# Altium PCB PCB3.PcbDoc
Units mil, origin at the board's own origin, x right, y up, seen from the top; angles counter-clockwise.
Board outline 4375 x 4780 mil, 2 copper layers (Top Layer, Bottom Layer); 18 components, 53 nets, 190 pads, 48 vias.
Unrouted connection lines stored in the file: 39.
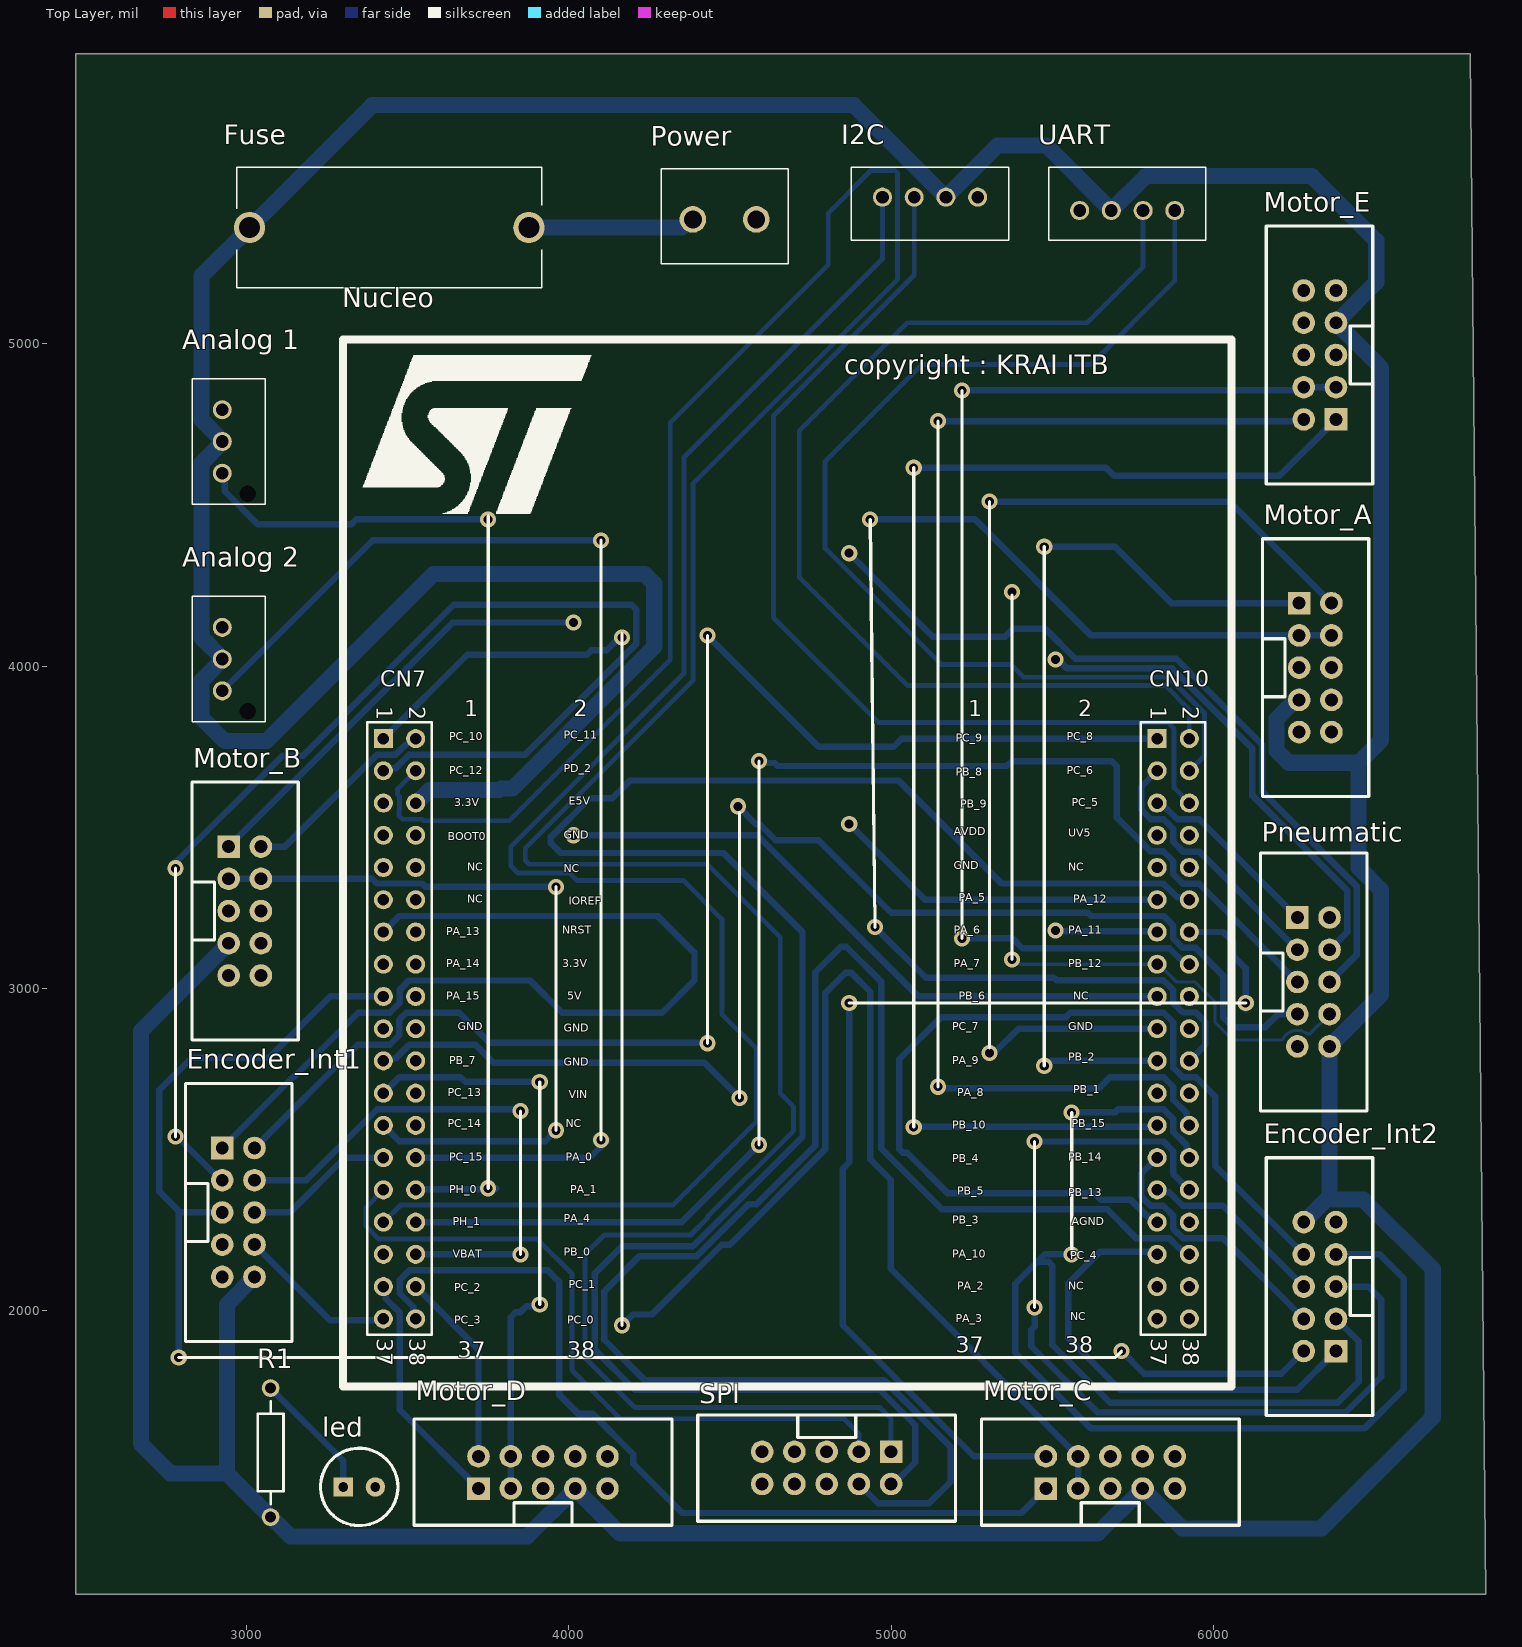
[diagram p0: Top Layer view]
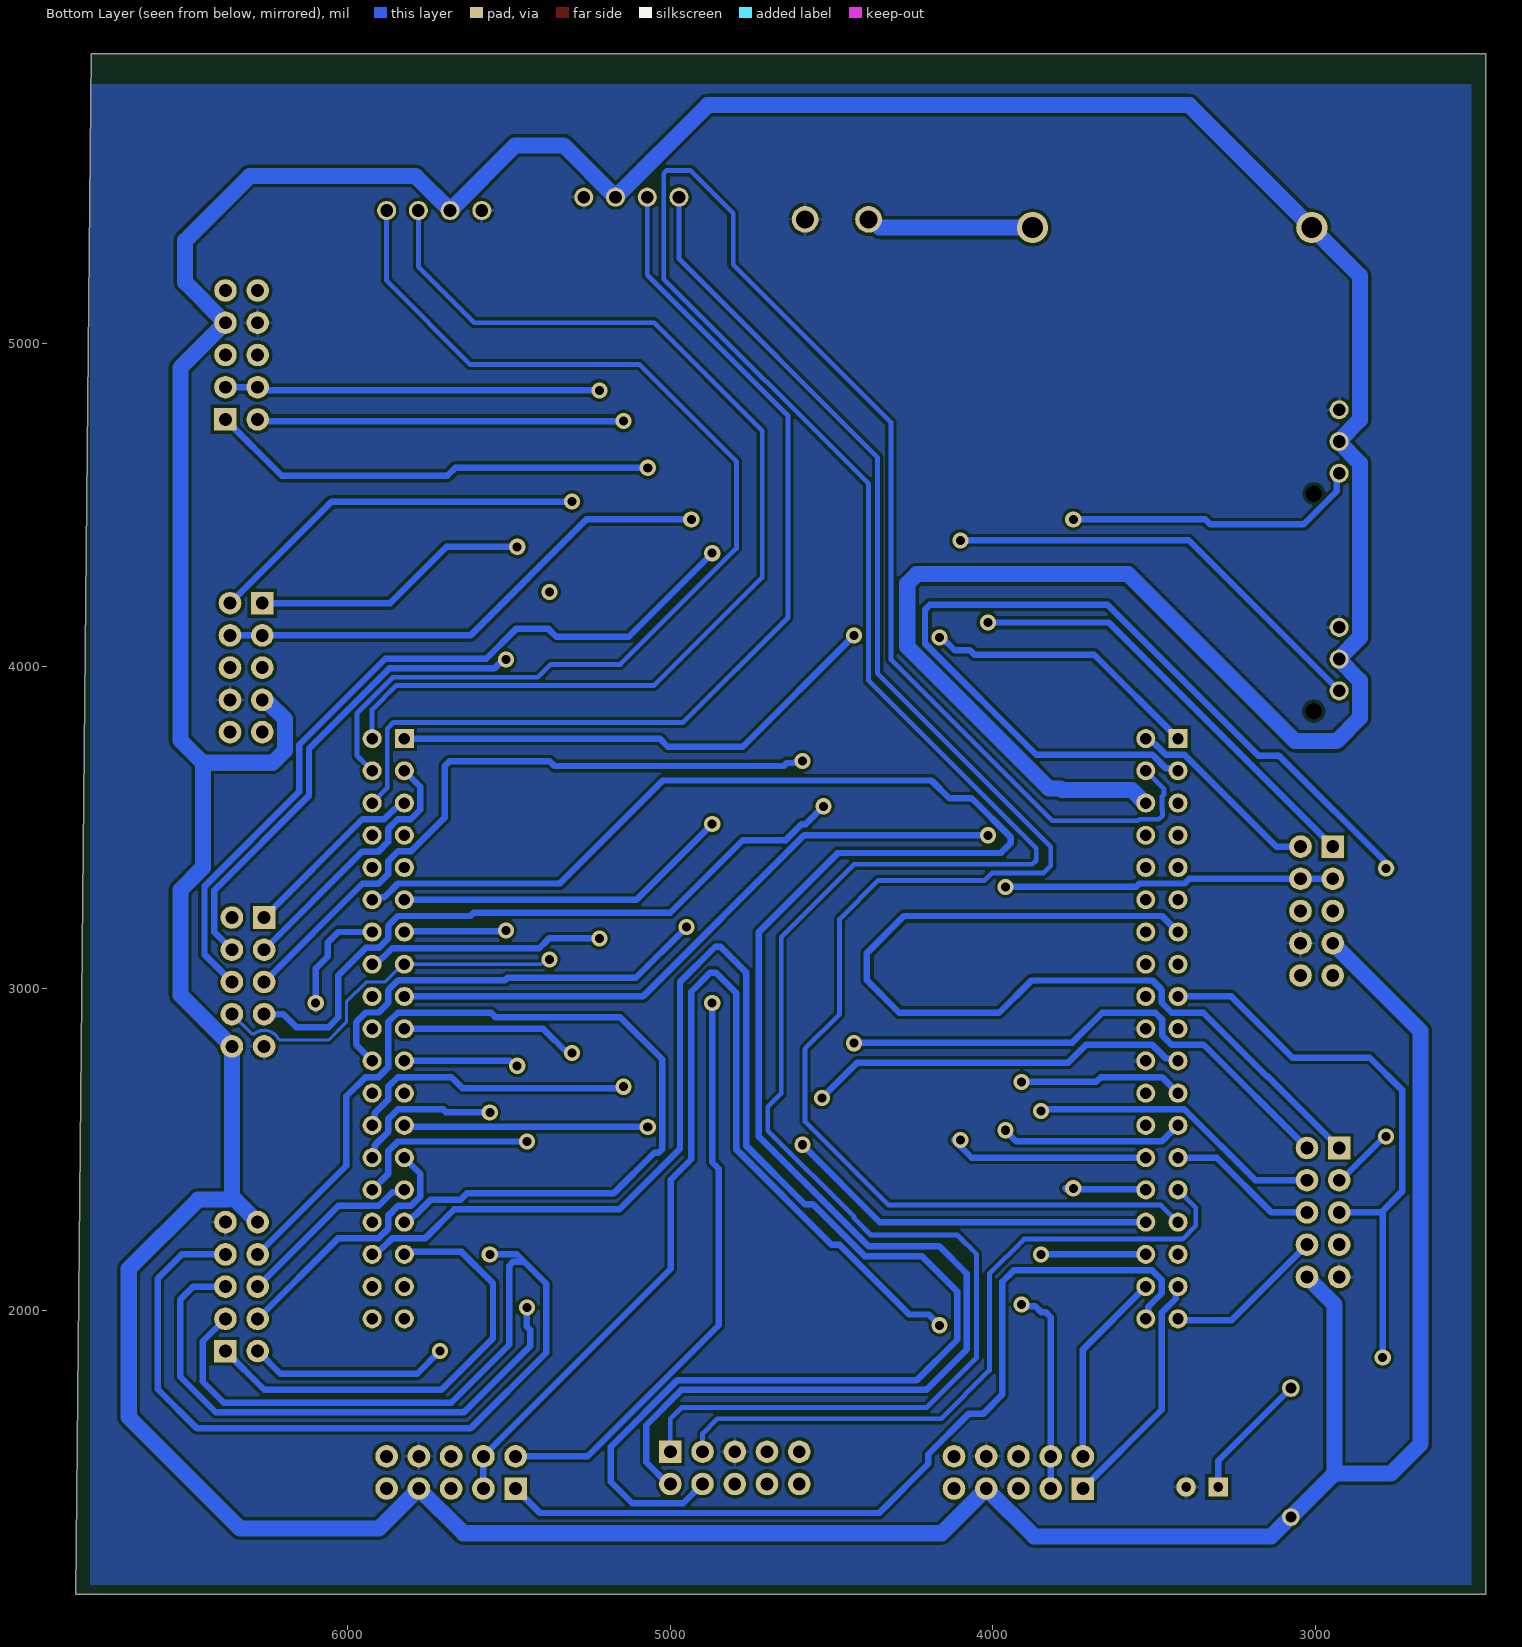
[diagram p1: Bottom Layer view, seen from below]

## Layer stack, top to bottom
Top Solder: solder mask 0.4, Solder Resist, Dk 3.5
Top Layer: signal copper 1.4
Dielectric 1: dielectric 12.6, FR-4, Dk 4.8
Bottom Layer: signal copper 1.4
Bottom Solder: solder mask 0.4, Solder Resist, Dk 3.5

## Board outline
2470,1120 6845,1120 6796.17,5900 2470,5900

## Design rules (kind name [scope] priority, off if disabled: settings)
Clearance [All] p1: gap=10 ignorepadtopadclearanceinfootprint=FALSE except(0: Arc-Hole Track-Hole SMDPad-Hole THPad-Hole Via-Hole Fill-Hole Poly-Hole Region-Hole Text-Hole)
PolygonConnect [All] p1: connectstyle=Relief reliefconductorwidth=10 reliefentries=4 polygonreliefangle="90 Angle" airgapwidth=10
RoomDefinition "Schematic Tugas 1_Magang 2" [InComponentClass('Schematic Tugas 1_Magang 2')] p1: confinementstyle=ConfineIn formatcopy=TRUE lockcomponents=FALSE outline 2515,1150 6780,1150 6780,5805 2515,5805
RoutingVias [All] p1: holewidth=28 width=50 viastyle="Through Hole" minholewidth=28 minwidth=50 maxholewidth=28 maxwidth=50
SolderMaskExpansion [All] p1: expansion=4 istentingtop=FALSE
Width [All] p1: maxlimit=50 minlimit=10 preferedwidth=20 toplayer_maxwidth=10 toplayer_prefwidth=10 minimp=50.000000 maximp=50.000000 favimp=50.000000
30 further rules are at their usual default settings.

## Classes and differential pairs
component class "Schematic Tugas 1_Magang 2": "Analog 1" "Analog 2" Encoder_Int1 Encoder_Int2 Fuse I2C led Motor_A Motor_B Motor_C Motor_D Motor_E Pneumatic Power R1 SPI UART

## Components (designator, comment, footprint, x,y, rotation, side; value= is the part's Value field where it differs from the comment)
"Analog 1" "B3B-XH-AM_LF__SN_" B3BXHAMLFSN 2925.23,4795 r270 top
"Analog 2" "B3B-XH-AM_LF__SN_" B3BXHAMLFSN 2925.23,4120 r270 top
Encoder_Int1 "Header ISP" "Header ISP" 2825,2405 r270 top
Encoder_Int2 "Header ISP" "Header ISP" 6480,1975 r90 top
Fuse "C3131" C3131 3010,5360 r0 top
I2C "B4B-XH-A_LF__SN_" B4BXHALFSN 5268.43,5454.49 r180 top
led "LED 5mm" "LED 5mm" 3350,1453.51 r0 top
Motor_A "Header ISP" "Header ISP" 6165.81,4095 r270 top
Motor_B "Header ISP" "Header ISP" 2845,3340 r270 top
Motor_C "Header ISP" "Header ISP" 5580,1348.51 r0 top
Motor_D "Header ISP" "Header ISP" 3820,1348.51 r0 top
Motor_E "Header ISP" "Header ISP" 6480,4865 r90 top
Nucleo "Shield Nucleo F446RE/F401RE no Pinout" "Shield Nucleo-F446RE/F401RE-tanpaPinOut" 4700,3225 r0 top
Pneumatic "Header ISP" "Header ISP" 6160,3120 r270 top
Power "KF301-2P" KF3012P 4385,5385.59 r0 top
R1 "Resistor 0.25W" "Resistor 0.25W" 3075,1560 r90 top
SPI "Header ISP" "Header ISP" 4900,1662.7 r180 top
UART "B4B-XH-A_LF__SN_" B4BXHALFSN 5584.72,5413.15 r0 top

## Footprints (in the part's own frame and the unit in brackets; to place one, negate y for a bottom-side part, rotate by r counter-clockwise, add the part's x,y. Pads: shape width x height; smd on the part's side, far side on the other; paste and mask are expansions set on the pad)
B3BXHAMLFSN [mm]
  round 1.5 hole 1: 1(0,0) 2(2.5,0) 3(5,0)
  round 0.65 hole 1.3 unplated: 4(6.6,2)
  silkscreen extent -2.45,-2.35 7.45,3.4, body extent -2.45,-2.35 7.45,3.4, height 7.1
B4BXHALFSN [mm]
  round 1.5 hole 1: 1(0,0) 2(2.5,0) 3(5,0) 4(7.5,0)
  silkscreen extent -2.45,-2.35 9.95,3.4, body extent -2.45,-2.35 9.95,3.4, height 7.52
C3131 [mm]
  round 2.46 hole 1.64: 1(0,0) 2(22,0)
  silkscreen extent -1,-4.75 23,4.75, body extent -1,-4.75 23,4.75, height 10.6
"Header ISP" [mil]
  rect 70x70 hole 40: 1(-100,100)
  round 70 hole 40: 2(-100,200) 3(0,100) 4(0,200) 5(100,100) 6(100,200) 7(200,100) 8(200,200) 9(300,100) 10(300,200)
  silkscreen extent -300,-14 500,316, body extent -300,-20 501,334, height 365
KF3012P [mm]
  round 2.1 hole 1.4: 1(0,0) 2(5,0)
  silkscreen extent -2.5,-3.5 7.5,4, body extent -2.99,-3.35 7.51,4.15, height 10
"LED 5mm" [mil]
  rect 60x60 hole 30: 1(-50,0)
  round 60 hole 30: 2(50,0)
  silkscreen extent -120,-120 120,120, body extent -117,-118 96,118, height 268
"Resistor 0.25W" [mm]
  round 1.4 hole 0.85: 1(-5.08,0) 2(5.08,0)
  silkscreen extent -4.06,-1.02 4.06,1.02, body extent -5.35,-1.27 5.35,1.33, height 2.7
"Shield Nucleo-F446RE/F401RE-tanpaPinOut" [mm] "Tanpa pin out"
  round 1.5 hole 0.9: 3.3V(-32.385,8.89) 3V3(-29.845,-3.81) 5V(-29.845,-6.35) AGND(31.115,-24.13) AVDD(28.575,6.35) BOOT0(-32.385,6.35) E5V(-29.845,8.89) GND(-29.845,6.35) GND1(-32.385,-8.89) GND2(-29.845,-8.89) GND3(-29.845,-11.43) GND4(28.575,3.81) GND5(31.115,-8.89) IOREF(-29.845,1.27) NC1(-32.385,3.81) NC2(-32.385,1.27) NC3(-29.845,3.81) NC4(-29.845,-16.51) NC5(31.115,3.81) NC6(31.115,-6.35) NC7(31.115,-29.21) NC8(31.115,-31.75) NRST(-29.845,-1.27) PA_0(-29.845,-19.05) PA_1(-29.845,-21.59) PA_2(28.575,-29.21) PA_3(28.575,-31.75) PA_4(-29.845,-24.13) PA_5(28.575,1.27) PA_6(28.575,-1.27) PA_7(28.575,-3.81) PA_8(28.575,-13.97) PA_9(28.575,-11.43) PA_10(28.575,-26.67) PA_11(31.115,-1.27) PA_12(31.115,1.27) PA_13(-32.385,-1.27) PA_14(-32.385,-3.81) PA_15(-32.385,-6.35) PB_0(-29.845,-26.67) PB_1(31.115,-13.97) PB_2(31.115,-11.43) PB_3(28.575,-24.13) PB_4(28.575,-19.05) PB_5(28.575,-21.59) PB_6(28.575,-6.35) PB_7(-32.385,-11.43) PB_8(28.575,11.43) PB_9(28.575,8.89) PB_10(28.575,-16.51) PB_12(31.115,-3.81) PB_13(31.115,-21.59) PB_14(31.115,-19.05) PB_15(31.115,-16.51) PC_0(-29.845,-31.75) PC_1(-29.845,-29.21) PC_2(-32.385,-29.21) PC_3(-32.385,-31.75) PC_4(31.115,-26.67) PC_5(31.115,8.89) PC_6(31.115,11.43) PC_7(28.575,-8.89) PC_8(31.115,13.97) PC_11(-29.845,13.97) PC_12(-32.385,11.43) PC_13(-32.385,-13.97) PC_14(-32.385,-16.51) PC_15(-32.385,-19.05) PD_2(-29.845,11.43) PH_0(-32.385,-21.59) PH_1(-32.385,-24.13) UV5(31.115,6.35) VBAT(-32.385,-26.67) VIN(-29.845,-13.97)
  rect 1.5x1.5 hole 0.9: PC_9(28.575,13.97) PC_10(-32.385,13.97)
  Bottom Layer lines w0.254: 28.321,-13.716 28.575,-13.97
  silkscreen extent -35.59,-37.08 34.44,45.42, body extent -35.58,-36.78 34.42,47.19, height 21.99

## Part data
"Analog 1" "Analog 2": "Connector", Arrow Part Number=B3B-XH-AM(LF)(SN), Manufacturer_Name="JST (JAPAN SOLDERLESS TERMINALS)", Arrow Price/Stock=https://www.arrow.com/en/products/b3b-xh-a-m-lf-sn/jst-manufacturing?region=europe, Datasheet Link=http://www.jst-mfg.com/product/pdf/eng/eXH.pdf, Height=7mm, Manufacturer_Part_Number=B3B-XH-AM(LF)(SN)
Fuse: "Undefined or Miscellaneous", Manufacturer_Name="Xucheng Elec", Datasheet Link=https://datasheet.lcsc.com/szlcsc/XC-Elec-Shenzhen-5x20-BLX-Fuse-holder_C3131.pdf, Height=10.5mm, Manufacturer_Part_Number=C3131
I2C UART: "Connector", Arrow Part Number=B4B-XH-A(LF)(SN), Manufacturer_Name="JST (JAPAN SOLDERLESS TERMINALS)", Arrow Price/Stock=https://www.arrow.com/en/products/b4b-xh-a-lf-sn/jst-manufacturing, Datasheet Link=https://datasheet.lcsc.com/szlcsc/JST-Sales-America-B4B-XH-A-LF-SN_C144395.pdf, Height=7mm, Manufacturer_Part_Number=B4B-XH-A(LF)(SN)
Nucleo: library part "Shield Nucleo-F446RE/F401RE-tanpa Pinout", "Tanpa Pinout"
Power: "Connector", Manufacturer_Name="Handson Technology", Datasheet Link=http://www.handsontec.com/dataspecs/terminal%20block-5mm.pdf, Height=10mm, Manufacturer_Part_Number=KF301-2P

## Via types
v1: diameter 50, hole 28, Top Layer to Bottom Layer, 48 vias

## Nets (pads, with @x,y where several pads share a name; then routed paths per layer and width w, separated by ;. In a path a pad name is that pad's centre, name@x,y a point inside that pad or via, vN(x,y) a via of type N, cw(c..) or ccw(c..) an arc to the next point about the centre after c; other vN are vias at no path point)
5V: "Analog 1.2" "Analog 2.2" Encoder_Int1.10 Encoder_Int2.10 Fuse.1 I2C.2 Motor_A.7 Motor_B.7 Motor_C.7 Motor_D.7 Motor_E.7 Nucleo.E5V Pneumatic.10 R1.1 UART.2 | length 19990.2
  Bottom Layer w50: Motor_B.7 2672.5,2867.5 2672.5,1587.5 2765,1495 2940,1495 ; Encoder_Int1.10 2940,2020 2940,1495 ; Nucleo.E5V 3527.45,3575 3567.45,3615 3785,3615 3790,3620 3825,3620 4265,4060 4265,4255.71 4235.71,4285 3580,4285 3061.92,3766.92 2933.08,3766.92 2860.7,3839.3 2860.7,3954.6 2925.23,4019.12 2925.23,4021.57 2925.23,4024.03 2860.7,4088.55 2860.7,4629.6 2925.23,4694.12 2925.23,4696.57 2925.23,4699.03 2860.7,4763.55 2860.7,5210.7 Fuse.1 3390,5740 4884.49,5740 I2C.2 5330.51,5615 5481.3,5615 UART.2 5790,5520 6305,5520 6505,5320 6505,5190 Motor_E.7 6520,4925 6520,3770 6450,3700 ; Motor_A.7 6260.4,3895 6250.4,3885 6245,3885 6195.81,3835.81 6195.81,3737.68 6233.49,3700 6450,3700 ; Encoder_Int2.10 6360,2355 ; 2940,1495 R1.1 3076.39,1360 3136.39,1300 3871.49,1300 Motor_D.7 4158.51,1310 5641.49,1310 Motor_C.7 5903.51,1325 6335,1325 6680,1670 6680,2130 6465,2345 6370,2345 6360,2355 ; 6360,2355 Pneumatic.10 6520,2980 6520,3305 6450,3375 6450,3700
Fuse: Fuse.2 Power.1 | length 519.5
  Bottom Layer w50: Fuse.2 4350.57,5360 4376.16,5385.59 Power.1
GND: "Analog 1.1" "Analog 2.1" Encoder_Int1.9 Encoder_Int2.9 I2C.1 led.2 Motor_A.8 Motor_B.8 Motor_C.8 Motor_D.8 Motor_E.8 Nucleo.GND2 Nucleo.GND3 Pneumatic.9 Power.2 SPI.5 UART.1
Netled_1: led.1 R1.2 | length 399.7
  Bottom Layer w20: R1.2 3300,1535 led.1
PA_0: "Analog 2.3" Nucleo.PA_0 | length 1985.9
  Bottom Layer w20: 2925.23,3923.15 3392.08,4390 v1(4100,4390) ; Nucleo.PA_0 4065,2475 v1@4120,2530
  other v1: 4100,2530
PA_1: "Analog 1.3" Nucleo.PA_1 | length 1177.1
  Bottom Layer w20: 2925.23,4598.15 2932.7,4590.68 2932.7,4541.95 3034.65,4440 3325.77,4440 3340.77,4455 v1(3750,4455) ; Nucleo.PA_1 3527.5,2377.5 3772.5,2377.5 3775,2380
  other v1: 3750,2380
PA_4: Nucleo.PA_4 Pneumatic.5 | length 3227.8
  Bottom Layer w20: Nucleo.PA_4 4350,2275 v1(4590,2515) ; v1@4610,3705 4615.74,3699.26 4638.86,3699.26 4648.12,3690 5359.06,3690 5374.06,3705 5685,3705 5700,3690 5700,3529.96 5804.48,3425.47 5844.57,3425.47 5875.47,3394.57 5875.47,3354.49 5905.43,3324.53 5955.47,3324.53 Pneumatic.5
  other v1: 4590,3705
PA_5: Nucleo.PA_5 Pneumatic.6 | length 3492.3
  Bottom Layer w20: v1(4870,3510) 5105,3275 Nucleo.PA_5 ; v1(4870,4350) 5129.26,4090.74 5353.52,4090.74 5377.78,4115 5478.64,4115 5571.14,4022.5 5884.17,4022.5 6150.81,3755.86 6150.81,3610.55 6445,3316.36 6445,3105 Pneumatic.6
PA_6: Nucleo.PA_6 Pneumatic.4 | length 1795.5
  Bottom Layer w20: v1(5510,4020) 5518.12,4020 5545.62,3992.5 5871.75,3992.5 6120.81,3743.44 6120.81,3598.13 6415,3303.93 6415,3175 Pneumatic.4 ; v1@5525,3180 5527.5,3177.5 5822.5,3177.5 Nucleo.PA_6
  other v1: 5510,3180
PA_7: Nucleo.PA_7 Pneumatic.8 | length 1164.6
  Bottom Layer w10: v1(5375,3090) 5385.82,3090 5400.82,3075 5830.4,3075 5885.87,3019.53 5943.44,3019.53 6004.72,2958.25 6004.72,2895.28 6060,2840 6212.18,2840 6215.11,2842.93 6216.08,2843.9 cw(c6260,2820) 6291.41,2858.9 6294.76,2858.9 6298.9,2858.9 Pneumatic.8
  other v1: 5375,4230
PA_8: Nucleo.PA_8
PA_9: Motor_A.1 Nucleo.PA_9 | length 1219.5
  Bottom Layer w20: v1(5475,2760) 5483.12,2760 5498.12,2775 Nucleo.PA_9 ; v1(5475,4370) 5694.46,4370 5869.46,4195 Motor_A.1
PA_10: Encoder_Int2.1 Nucleo.PA_10 | length 1434.4
  Bottom Layer w20: Nucleo.PA_10 5817.53,2182.47 5647.47,2182.47 5550,2085 5550,1915 5710,1755 6260,1755 Encoder_Int2.1
PA_11: Motor_C.2 Nucleo.PA_11 | length 2180.7
  Bottom Layer w20: v1(4870,2955) 4870,2460.94 4850,2440.94 4850,1955 5256.49,1548.51 Motor_C.2 ; Nucleo.PA_11 6030,3175 6062.13,3142.87 6062.13,3099.91 6100,3062.04 v1@6100,2935
  other v1: 6100,2955
PA_12: Nucleo.PA_12 SPI.2 | length 6122.3
  Bottom Layer w20: SPI.2 5007.33,1462.7 5075,1530.37 5075,1645.15 4965.15,1755 4205,1755 4080,1880 4080,2115 4165,2200 4385.15,2200 4725,2539.85 4725,3175 4480,3420 3975,3420 3943.28,3451.72 3943.28,3468.28 4065,3590 4135,3590 4190,3645 5023.07,3645 5342.6,3325.47 5844.57,3325.47 5887.57,3282.47 5917.53,3282.47 Nucleo.PA_12
PA_13: Encoder_Int1.1 Nucleo.PA_13 | length 2904.7
  Bottom Layer w20: Encoder_Int1.1 3147.26,2727.26 3149.65,2727.26 3346.91,2924.53 3444.57,2924.53 3475.47,2955.43 3475.47,2993.61 3476.27,2994.41 3476.27,2996.31 3504.49,3024.53 3879.53,3024.53 3979.53,2924.53 4289.53,2924.53 4390,3025 4390,3110 4275.47,3224.53 3474.53,3224.53 Nucleo.PA_13
PA_14: Nucleo.PA_14
PA_15: Encoder_Int1.5 Encoder_Int2.2 Nucleo.PA_15 | length 2440.6
  Bottom Layer w20: v1(2790,1855) 2790,2310 ; Encoder_Int1.5 2795,2305 2730,2370 2730,2685 2830,2785 3070,2785 3260,2975 Nucleo.PA_15 Nucleo.PA_15@3425,2985.57 ; v1(5715,1875) 5785,1805 6210,1805 Encoder_Int2.2
PB_0: Encoder_Int1.4 Nucleo.PB_0 | length 1243.6
  Bottom Layer w20: Encoder_Int1.4 3184.96,2405 3405.43,2625.47 3844.53,2625.47 v1(3850,2620) ; Nucleo.PB_0 v1(3850,2175)
PB_1: Nucleo.PB_1
PB_2: Motor_A.3 Motor_A.4 Nucleo.PB_2 | length 2890.9
  Bottom Layer w20: v1(4935,4455) 5260,4455 5620,4095 Motor_A.3 Motor_A.4 ; v1(4950,3190) 5107.19,3032.8 5505,3032.8 5512.34,3025.47 5844.57,3025.47 5875.12,2994.92 5875.12,2954.84 5904.78,2925.18 5944.87,2925.18 5974.53,2895.51 5974.53,2824.53 Nucleo.PB_2
PB_3: Encoder_Int2.8 Nucleo.PB_3 | length 3005.6
  Bottom Layer w20: Nucleo.PB_3 5814.43,2275 5793.96,2295.47 5792.06,2295.47 5742.53,2345 5650,2345 5630,2365 5175,2365 5050,2490 5036.72,2490 5025,2501.72 5025,2780 5155,2910 5541.17,2910 5555.7,2924.53 5845.52,2924.53 5875.47,2894.57 5875.47,2754.49 5904.96,2725 5945.04,2725 6005,2665.04 6005,2450 Encoder_Int2.8
PB_4: Encoder_Int2.4 Nucleo.PB_4 | length 826.2
  Bottom Layer w20: Nucleo.PB_4 5775.47,2425.47 5775.47,2354.49 5804.48,2325.47 5844.57,2325.47 5874.53,2295.51 5874.53,2255.43 5904.48,2225.47 6029.53,2225.47 Encoder_Int2.4
PB_5: Encoder_Int2.6 Nucleo.PB_5 | length 579.3
  Bottom Layer w20: Nucleo.PB_5 5832.47,2367.53 5862.43,2367.53 5904.48,2325.47 6029.53,2325.47 Encoder_Int2.6
PB_6: Motor_B.1 Nucleo.PB_6 | length 3370
  Bottom Layer w20: Motor_B.1 3640,4135 v1@4010,4135 ; v1(4015,3475) 4585,3475 5085,2975 Nucleo.PB_6
  other v1: 4015,4135
PB_7: Nucleo.PB_7 Pneumatic.7 | length 3328.6
  Bottom Layer w20: Nucleo.PB_7 3432.47,2782.47 3462.43,2782.47 3504.49,2824.53 3711.01,2824.53 3765.54,2770 4420,2770 v1(4530,2660) ; v1(4525,3565) 4580.37,3509.63 4592.8,3509.63 4642.43,3460 4775,3460 5000,3235 5610.23,3235 5620.7,3224.53 5845.52,3224.53 5875,3195.04 5875,3154.96 5904.48,3125.47 5944.57,3125.47 6029.72,3040.32 6029.72,2910.28 6060,2880 6160,2880 6200,2920 Pneumatic.7
PB_8: Nucleo.PB_8 Pneumatic.3 | length 829
  Bottom Layer w20: Nucleo.PB_8 5775.47,3625.47 5775.47,3554.49 5805.43,3524.53 5845.52,3524.53 5875.47,3494.57 5875.47,3454.49 5905.43,3424.53 5955.47,3424.53 Pneumatic.3
PB_9: Nucleo.PB_9 Pneumatic.1 | length 582
  Bottom Layer w20: Nucleo.PB_9 5835.57,3575 5856.04,3554.53 5857.94,3554.53 5887.94,3524.53 5955.47,3524.53 Pneumatic.1
PB_10: Motor_E.1 Nucleo.PB_10 | length 2149.9
  Bottom Layer w20: v1(5070,2570) 5070.25,2570.25 5820.25,2570.25 Nucleo.PB_10 ; v1(5070,4615) 5666.56,4615 5691.56,4590 6205,4590 Motor_E.1
PB_11: Encoder_Int1.7
PB_12: Motor_E.3 Motor_E.4 Nucleo.PB_12 | length 1902.3
  Bottom Layer w20: v1(5220,3155) 5376.36,3155 5406.36,3125 5862.53,3125 5892.06,3095.47 5893.96,3095.47 5914.43,3075 Nucleo.PB_12 ; v1(5220,4855) 6243.28,4855 6243.72,4855.43 6270.43,4855.43 Motor_E.4 Motor_E.3
PB_13: Encoder_Int2.5 Nucleo.PB_13 | length 2309.3
  Bottom Layer w20: v1(5445,2010) 5445,1950.94 5435,1940.94 5435,1890 5640,1685 6410,1685 6520,1795 6520,2035 6480,2075 Encoder_Int2.5 ; v1@5455,2525 5845.04,2525 5875.47,2494.57 5875.47,2424.53 Nucleo.PB_13
  other v1: 5445,2525
PB_14: Encoder_Int2.3 Encoder_Int2.7 Nucleo.PB_14 | length 4407.7
  Bottom Layer w20: v1(5560,2175) 5476.36,2175 5453.08,2151.72 ; v1(5560,2615.25) 5694.68,2615.25 5703.96,2624.53 5845.52,2624.53 5874.53,2595.51 5874.53,2555.43 5917.53,2512.43 5917.53,2482.47 Nucleo.PB_14 ; Encoder_Int2.3 6450,1905 6450,1780 6385,1715 5680,1715 5500,1895 5500,2140 5488.28,2151.72 5453.08,2151.72 ; Encoder_Int2.7 6515,2175 6590,2100 6590,1756.72 6468.28,1635 5620,1635 5385,1870 5385,2083.64 5453.08,2151.72
PB_15: Motor_E.2 Nucleo.PB_15 | length 2036.4
  Bottom Layer w20: v1(5145,2695) 5150,2690 5644.55,2690 5679.08,2724.53 5845.52,2724.53 5875.47,2694.57 5875.47,2654.49 5917.53,2612.43 5917.53,2582.47 Nucleo.PB_15 ; v1(5145,4760) 6275,4760 Motor_E.2
PC_0: Motor_C.1 Nucleo.PC_0 | length 2723.4
  Bottom Layer w20: Nucleo.PC_0 3517.53,1982.47 3517.53,2012.43 3475.47,2054.49 3475.47,2095.51 3504.96,2125 3935,2125 3970,2090 3970,1740 4030,1680 4075,1680 4200,1555 4200,1525 4352.3,1372.7 5404.19,1372.7 Motor_C.1
PC_1: Motor_D.2 Nucleo.PC_1 | length 607.3
  Bottom Layer w20: Nucleo.PC_1 3720,1880 Motor_D.2
PC_2: Motor_D.1 Nucleo.PC_2 | length 748.7
  Bottom Layer w20: Nucleo.PC_2 3432.47,2067.53 3432.47,2037.57 3475.47,1994.57 3475.47,1693.04 Motor_D.1
PC_3: Encoder_Int1.8 Nucleo.PC_3 | length 499.4
  Bottom Layer w20: Encoder_Int1.8 3260,1970 3420,1970 Nucleo.PC_3
PC_4: Nucleo.PC_4 SPI.4 | length 5079.1
  Bottom Layer w20: SPI.4 4960,1402.7 5117.7,1402.7 5185,1470 5185,1577.57 4977.57,1785 4235,1785 4110,1910 4110,2060 4219.63,2169.63 4397.2,2169.63 4557.57,2330 4582.57,2330 4765,2512.43 4765,3050 4844.22,3129.22 4860.78,3129.22 4970,3020 4970,2502.57 5157.57,2315 5670,2315 5759.53,2225.47 5862.06,2225.47 5892.06,2195.47 5893.96,2195.47 5914.43,2175 Nucleo.PC_4
PC_5: I2C.3 Nucleo.PC_5 | length 3121.2
  Bottom Layer w15: I2C.3 5071.57,5213.04 4635,4776.46 4635,4150 4960,3825 5858.8,3825 5877.97,3805.83 5877.97,3622.03 Nucleo.PC_5
PC_6: Nucleo.PC_6 UART.4 | length 3391.9
  Bottom Layer w15: UART.4 5880,5195 5620,4935 5095,4935 4795,4635 4795,4364.9 5154.9,4005 5371.11,4005 5411.11,3965 5860.36,3965 5972.03,3853.33 5972.03,3722.03 Nucleo.PC_6
PC_7: Motor_A.2 Nucleo.PC_7 | length 1727.4
  Bottom Layer w20: v1(5305,4510) 6050.81,4510 Motor_A.2 ; v1@5320,2800 5395,2875 Nucleo.PC_7
  other v1: 5305,2800
PC_8: Nucleo.PC_8 UART.3 | length 3376.7
  Bottom Layer w15: UART.3 5781.57,5238.43 5608.15,5065 5050,5065 4715,4730 4715,4275 5050,3940 5850,3940 5925,3865 Nucleo.PC_8
PC_9: Encoder_Int1.2 Nucleo.PC_9 | length 3184.8
  Bottom Layer w20: Encoder_Int1.2 3345,2825 3445.04,2825 3474.53,2854.49 3474.53,2903.28 3495.77,2924.53 3660.47,2924.53 3752.97,2832.03 4417.97,2832.03 v1@4420,2830 ; v1(4430,4095) 4775,3750 5008.12,3750 5033.12,3775 Nucleo.PC_9
  other v1: 4430,2830
PC_10: Motor_C.3 Motor_C.4 Nucleo.PC_10 | length 4210.4
  Bottom Layer w20: Nucleo.PC_10 3685,4035 4056.36,4035 4070.5,4049.14 4118.08,4049.14 4157.57,4088.64 v1(4165,4088.64) ; v1(4165,1955) 4198.46,1988.46 4258.46,1988.46 4475,2205 4500,2205 4795,2500 4795,2985 4859.22,3049.22 4875.78,3049.22 4935,2990 4935,2470 4998.51,2406.49 4998.51,2130 Motor_C.4 Motor_C.3
PC_11: Motor_B.2 Nucleo.PC_11 | length 618.8
  Bottom Layer w20: Motor_B.2 3119.96,3440 3405.43,3725.47 3463,3725.47 3492.06,3754.53 3493.96,3754.53 3514.43,3775 Nucleo.PC_11
PC_12: Encoder_Int1.3 Nucleo.PC_12 | length 3046.9
  Bottom Layer w20: v1@2762.4,3372.6 3111.72,3721.92 3175.56,3721.92 3643.64,4190 4195,4190 4210,4175 4210,4070 3864.53,3724.53 3504.49,3724.53 3462.43,3682.47 3432.47,3682.47 Nucleo.PC_12 ; v1(2780,2540) 2785,2540 2920,2405 Encoder_Int1.3
  other v1: 2780,3372.6
PC_13: Motor_D.3 Motor_D.4 Nucleo.PC_13 | length 1155
  Bottom Layer w20: Nucleo.PC_13 3475,2725 3663.44,2725 3678.44,2710 v1(3910,2710) ; Motor_D.3 Motor_D.4 3820,1980 3835.98,1995.98 3850,1995.98 3868.28,2014.26 3909.26,2014.26 v1@3915,2020
  other v1: 3910,2020
PC_14: Motor_B.3 Motor_B.4 Nucleo.PC_14 | length 1605.2
  Bottom Layer w20: Motor_B.3 Motor_B.4 3389.96,3340 3404.49,3325.47 3544.57,3325.47 3555.04,3315 v1(3960,3315) ; Nucleo.PC_14 3474.53,2525.47 3927.35,2525.47 3961.88,2560 v1@3970,2560
  other v1: 3960,2560
PC_15: Encoder_Int1.6 Nucleo.PC_15 | length 470.4
  Bottom Layer w20: Encoder_Int1.6 3135,2305 3305,2475 Nucleo.PC_15
PD_2: Nucleo.PD_2 SPI.1 | length 9460.4
  Bottom Layer w15: Nucleo.PD_2 3468.31,3618.31 3468.31,3601.74 3474.53,3595.51 3474.53,3554.49 3472.85,3552.81 3472.85,3536.24 3484.57,3524.53 3545.51,3524.53 3550.04,3520 3815.1,3520 3917.5,3622.4 4315,4019.9 4315,4755 4805,5245 4805,5405 4937.5,5537.5 5011.39,5537.5 5020.18,5528.71 5020.18,5200.53 4385,4565.36 4385,3955 3865,3435 3865,3396.72 3876.72,3385 4430,3385 4655.88,3159.12 4655.88,2674.12 4697.5,2632.5 4697.5,2558.86 4430,2291.36 4430,2287.28 4377.72,2235 4110,2235 4050,2175 4050,1855 4205,1700 4965,1700 5000,1665 SPI.1
PH_0: Nucleo.PH_0 SPI.3 | length 2171.5
  Bottom Layer w15: Nucleo.PH_0 3370,2320 3370,2263.49 3410.99,2222.5 3902.5,2222.5 4010,2115 4010,1815 4160,1665 4853.85,1665 4900,1618.85 4900,1582.7 4890,1572.7 SPI.3
PH_1: I2C.4 Nucleo.PH_1 | length 5234.5
  Bottom Layer w15: Nucleo.PH_1 3477.97,2327.97 4322.97,2327.97 4582.5,2587.5 4582.5,2812.14 4475,2919.64 4475,3215 4355,3335 4025,3335 4002.5,3357.5 3842.5,3357.5 3820,3380 3820,3439.47 4357.5,3976.97 4357.5,4647.5 4973.15,5263.15 I2C.4
pads on no net: "Analog 1.4" "Analog 2.4" Motor_A.5 Motor_A.6 Motor_A.9 Motor_A.10 Motor_B.5 Motor_B.6 Motor_B.9 Motor_B.10 Motor_C.5 Motor_C.6 Motor_C.9 Motor_C.10 Motor_D.5 Motor_D.6 Motor_D.9 Motor_D.10 Motor_E.5 Motor_E.6 Motor_E.9 Motor_E.10 Nucleo.3.3V Nucleo.3V3 Nucleo.5V Nucleo.AGND Nucleo.AVDD Nucleo.BOOT0 Nucleo.GND Nucleo.GND1 Nucleo.GND4 Nucleo.GND5 Nucleo.IOREF Nucleo.NC1 Nucleo.NC2 Nucleo.NC3 Nucleo.NC4 Nucleo.NC5 Nucleo.NC6 Nucleo.NC7 Nucleo.NC8 Nucleo.NRST Nucleo.PA_2 Nucleo.PA_3 Nucleo.UV5 Nucleo.VBAT Nucleo.VIN Pneumatic.2 SPI.6 SPI.7 SPI.8 SPI.9 SPI.10

## Polygon pours and split planes (outlines as drawn)
GND on Bottom Layer "GND_L02_P000" (solid, pour order 0): 2515,5805 2515,1150 6800,1150 6800,5805

## Silkscreen, mask and mechanical layers (free items; w line width, h text height)
Top Overlay:
  lines w10: 2780,2540 2780,3372.6 ; 2790,1855 5695,1855 5715,1875 ; 3750,2380 3750,4465 ; 3850,2175 3850,2620 ; 3910,2020 3910,2710 ; 3960,2560 3960,3315 ; 4100,2530 4100,4390 ; 4165,1955 4165,4100 ; 4430,2830 4430,4095 ; 4530,2660 4530,3545 ; 4590,2515 4590,3705 ; 4870,2955 6100,2955 ; 4935,4455 4950,3190 ; 5070,2570 5070,4615 ; 5145,2695 5145,4760 ; 5220,3155 5220,4855 ; 5305,2815 5305,4510 ; 5375,3090 5375,4220 ; 5445,2010 5445,2525 ; 5475,2760 5475,4370 ; 5560,2175 5560,2615.25

## Text inside footprints (layer, text, board x,y; h text height)
Nucleo: Top Overlay "copyright : KRAI ITB" at 4855,4905 h60; Top Overlay "2" at 3505,3875 h50 r270; Top Overlay "1" at 3405,3875 h50 r270; Top Overlay "37" at 3405,1915 h50 r270; Top Overlay "38" at 3505,1915 h50 r270; Top Overlay "1" at 3675,3845 h50; Top Overlay "2" at 5905,3875 h50 r270; Top Overlay "1" at 5805,3875 h50 r270; Top Overlay "37" at 5805,1915 h50 r270; Top Overlay "38" at 5905,1915 h50 r270; Top Overlay "PC_10" at 3630,3770 h25; Top Overlay "PC_12" at 3630,3665 h25; Top Overlay "3.3V" at 3645,3565 h25; Top Overlay "BOOT0" at 3625,3460 h25; Top Overlay "NC" at 3685,3365 h25; Top Overlay "NC" at 3685,3265 h25; Top Overlay "PA_13" at 3620,3165 h25; Top Overlay "PA_14" at 3620,3065 h25; Top Overlay "PA_15" at 3620,2965 h25; Top Overlay "GND" at 3655,2870 h25; Top Overlay "PB_7" at 3630,2765 h25; Top Overlay "PC_13" at 3625,2665 h25; Top Overlay "PC_14" at 3625,2570 h25; Top Overlay "PC_15" at 3630,2465 h25; Top Overlay "PH_0" at 3630,2365 h25; Top Overlay "PH_1" at 3640,2265 h25; Top Overlay "VBAT" at 3640,2165 h25; Top Overlay "PC_2" at 3645,2060 h25; Top Overlay "PC_3" at 3645,1960 h25; Top Overlay "E5V" at 4000,3570 h25; Top Overlay "PD_2" at 3985,3670 h25; Top Overlay "PC_11" at 3985,3775 h25; Top Overlay "IOREF" at 4000,3260 h25; Top Overlay "NC" at 3985,3360 h25; Top Overlay "GND" at 3985,3465 h25; Top Overlay "5V" at 3995,2965 h25; Top Overlay "3.3V" at 3980,3065 h25; Top Overlay "NRST" at 3980,3170 h25; Top Overlay "VIN" at 4000,2660 h25; Top Overlay "GND" at 3985,2760 h25; Top Overlay "GND" at 3985,2865 h25; Top Overlay "PA_1" at 4005,2365 h25; Top Overlay "PA_0" at 3990,2465 h25; Top Overlay "NC" at 3990,2570 h25; Top Overlay "PC_1" at 4000,2070 h25; Top Overlay "PB_0" at 3985,2170 h25; Top Overlay "PA_4" at 3985,2275 h25; Top Overlay "PC_0" at 3995,1960 h25; Top Overlay "PB_9" at 5215,3560 h25; Top Overlay "PB_8" at 5200,3660 h25; Top Overlay "PC_9" at 5200,3765 h25; Top Overlay "PA_5" at 5210,3270 h25; Top Overlay "GND" at 5195,3370 h25; Top Overlay "AVDD" at 5195,3475 h25; Top Overlay "PB_6" at 5210,2965 h25; Top Overlay "PA_7" at 5195,3065 h25; Top Overlay "PA_6" at 5195,3170 h25; Top Overlay "PA_8" at 5205,2665 h25; Top Overlay "PA_9" at 5190,2765 h25; Top Overlay "PC_7" at 5190,2870 h25; Top Overlay "PB_5" at 5205,2360 h25; Top Overlay "PB_4" at 5190,2460 h25; Top Overlay "PB_10" at 5190,2565 h25; Top Overlay "PA_2" at 5205,2065 h25; Top Overlay "PA_10" at 5190,2165 h25; Top Overlay "PB_3" at 5190,2270 h25; Top Overlay "PC_5" at 5560,3565 h25; Top Overlay "PC_6" at 5545,3665 h25; Top Overlay "PC_8" at 5545,3770 h25; Top Overlay "PA_12" at 5565,3265 h25; Top Overlay "NC" at 5550,3365 h25; Top Overlay "UV5" at 5550,3470 h25; Top Overlay "NC" at 5565,2965 h25; Top Overlay "PB_12" at 5550,3065 h25; Top Overlay "PA_11" at 5550,3170 h25; Top Overlay "PB_15" at 5560,2570 h25; Top Overlay "PB_1" at 5565,2675 h25; Top Overlay "GND" at 5550,2870 h25; Top Overlay "AGND" at 5560,2265 h25; Top Overlay "PB_13" at 5550,2355 h25; Top Overlay "PB_14" at 5550,2465 h25; Top Overlay "NC" at 5555,1970 h25; Top Overlay "NC" at 5550,2065 h25; Top Overlay "PC_4" at 5555,2160 h25; Top Overlay "PA_3" at 5200,1965 h25; Top Overlay "PB_2" at 5550,2775 h25; Top Overlay "2" at 4015,3845 h50; Top Overlay "2" at 5580,3845 h50; Top Overlay "1" at 5240,3845 h50; Top Overlay "38" at 3995,1855 h50; Top Overlay "37" at 3655,1855 h50; Top Overlay "37" at 5200,1870 h50; Top Overlay "38" at 5540,1870 h50; Top Overlay "CN7" at 3415,3935 h50; Top Overlay "CN10" at 5800,3935 h50